# KiCad board SP110Duo.kicad_pcb (continued)
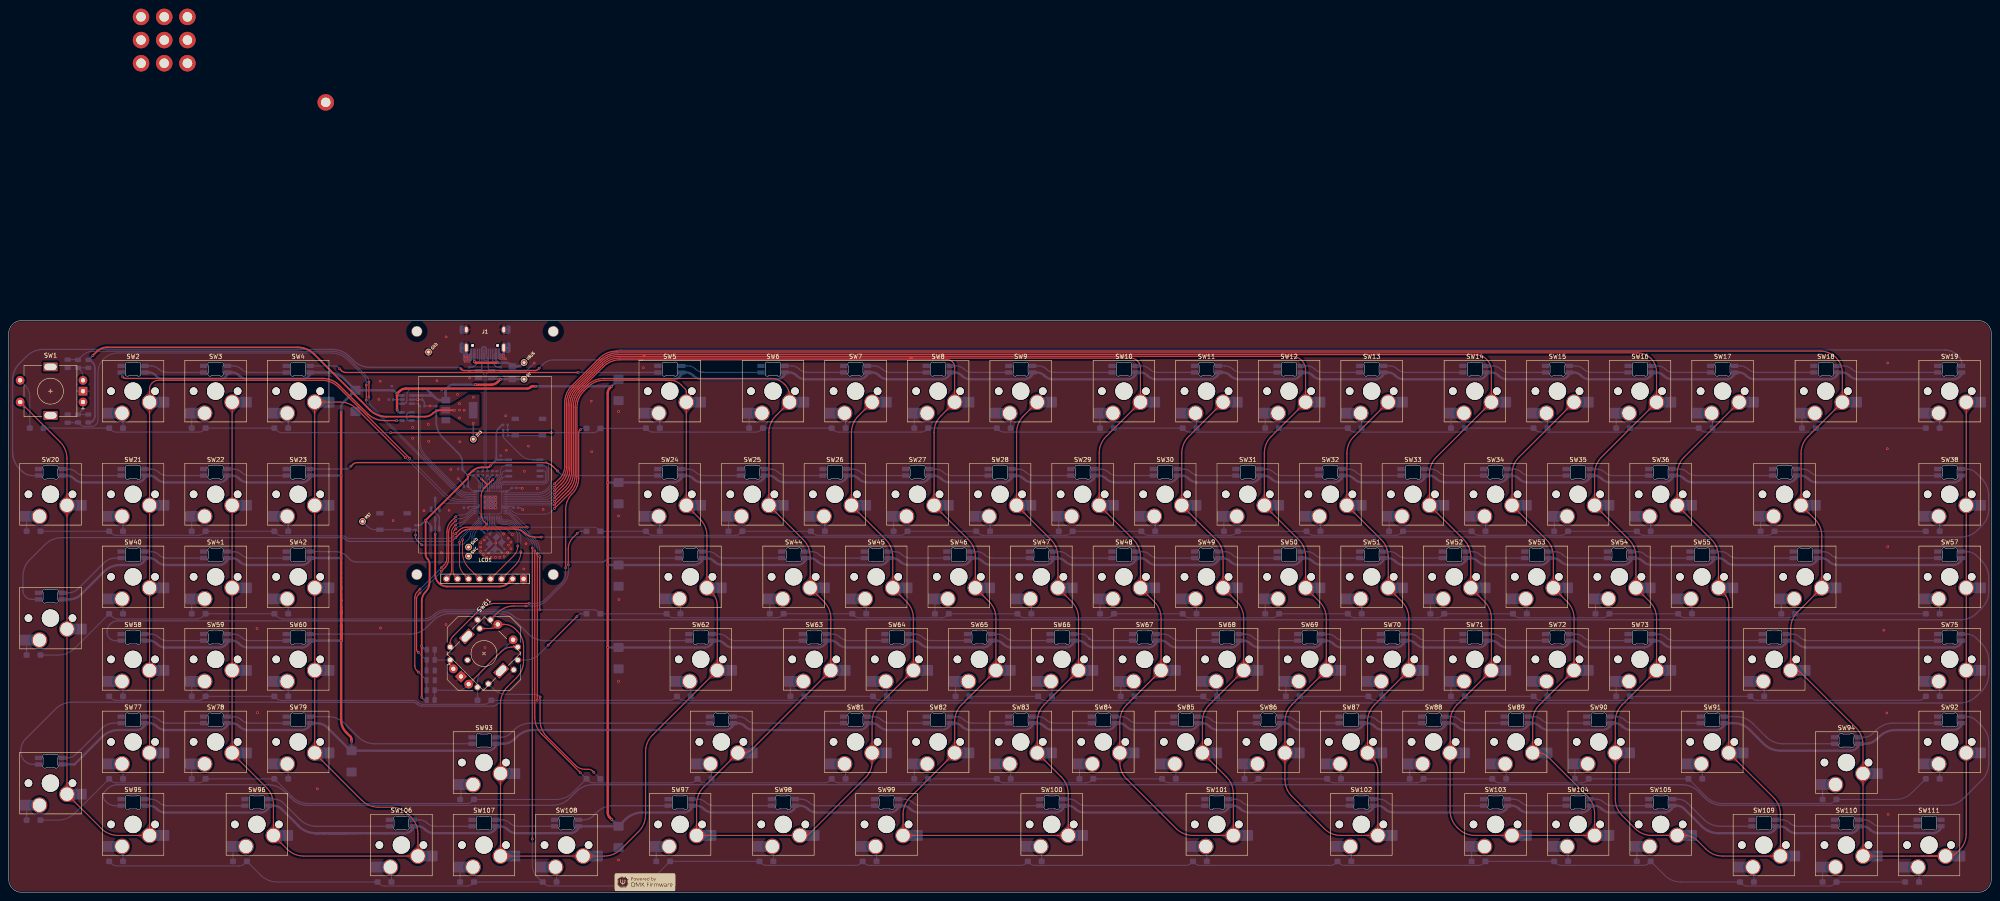
[diagram p0: board, top side]
## Footprints (pads in the part's own frame, mm; a bottom-side part is the same pattern mirrored in y, then rotated)
C_0402_1005Metric
  rrect 0.56x0.62 smd: 1(-0.48,0) 2(0.48,0)
C_0805_2012Metric
  rrect 1x1.45 smd: 1(-0.95,0) 2(0.95,0)
CP_EIA-6032-15_Kemet-U
  rrect 2.075x2.35 smd: 1(-2.462,0) 2(2.462,0)
Crystal_SMD_3225-4Pin_3.2x2.5mm
  rect 1.4x1.2 smd: 1(-1.1,-0.85) 2(1.1,-0.85) 3(1.1,0.85) 4(-1.1,0.85)
D_SOD-123
  rrect 1.4x1.3 smd: 1(-1.6,0) 2(1.6,0)
Fuse_1206_3216Metric_Pad1.42x1.75mm_HandSolder
  rrect 1.425x1.75 smd: 1(-1.488,0) 2(1.488,0)
Hotswap_MX_Plated_LED_1.5u
  rrect 2.55x2.5 smd: (-5.842,-5.08) (7.085,-2.54)
  round 1.75 hole 1.75 unplated: (-5.08,0) (5.08,0)
  round 4 hole 4 unplated: (0,0)
  round 3.6 hole 3.05: 1(3.81,-2.54) 2(-2.54,-5.08)
  rrect 3.55x2.5 smd far side: 1(6.585,-2.54) 2(-5.32,-5.08)
  rrect 1.7x1 smd far side: 3(2.75,4.33) 4(2.75,5.83) 5(-2.75,4.33) 6(-2.75,5.83)
Hotswap_MX_Plated_LED_1.25u
  rrect 2.55x2.5 smd: (-5.842,-5.08) (7.085,-2.54)
  round 1.75 hole 1.75 unplated: (-5.08,0) (5.08,0)
  round 4 hole 4 unplated: (0,0)
  round 3.6 hole 3.05: 1(3.81,-2.54) 2(-2.54,-5.08)
  rrect 3.55x2.5 smd far side: 1(6.585,-2.54) 2(-5.32,-5.08)
  rrect 1.7x1 smd far side: 3(2.75,4.33) 4(2.75,5.83) 5(-2.75,4.33) 6(-2.75,5.83)
Hotswap_MX_Plated_LED_1.75u
  rrect 2.55x2.5 smd: (-5.842,-5.08) (7.085,-2.54)
  round 1.75 hole 1.75 unplated: (-5.08,0) (5.08,0)
  round 4 hole 4 unplated: (0,0)
  round 3.6 hole 3.05: 1(3.81,-2.54) 2(-2.54,-5.08)
  rrect 3.55x2.5 smd far side: 1(6.585,-2.54) 2(-5.32,-5.08)
  rrect 1.7x1 smd far side: 3(2.75,4.33) 4(2.75,5.83) 5(-2.75,4.33) 6(-2.75,5.83)
Hotswap_MX_Plated_LED_1u
  rrect 2.55x2.5 smd: (-5.842,-5.08) (7.085,-2.54)
  round 1.75 hole 1.75 unplated: (-5.08,0) (5.08,0)
  round 4 hole 4 unplated: (0,0)
  round 3.6 hole 3.05: 1(3.81,-2.54) 2(-2.54,-5.08)
  rrect 3.55x2.5 smd far side: 1(6.585,-2.54) 2(-5.32,-5.08)
  rrect 1.7x1 smd far side: 3(2.75,4.33) 4(2.75,5.83) 5(-2.75,4.33) 6(-2.75,5.83)
Hotswap_MX_Plated_LED_2.25u
  rrect 2.55x2.5 smd: (-5.842,-5.08) (7.085,-2.54)
  round 1.75 hole 1.75 unplated: (-5.08,0) (5.08,0)
  round 4 hole 4 unplated: (0,0)
  round 3.6 hole 3.05: 1(3.81,-2.54) 2(-2.54,-5.08)
  rrect 3.55x2.5 smd far side: 1(6.585,-2.54) 2(-5.32,-5.08)
  rrect 1.7x1 smd far side: 3(2.75,4.33) 4(2.75,5.83) 5(-2.75,4.33) 6(-2.75,5.83)
Hotswap_MX_Plated_LED_2.75u
  rrect 2.55x2.5 smd: (-5.842,-5.08) (7.085,-2.54)
  round 1.75 hole 1.75 unplated: (-5.08,0) (5.08,0)
  round 4 hole 4 unplated: (0,0)
  round 3.6 hole 3.05: 1(3.81,-2.54) 2(-2.54,-5.08)
  rrect 3.55x2.5 smd far side: 1(6.585,-2.54) 2(-5.32,-5.08)
  rrect 1.7x1 smd far side: 3(2.75,4.33) 4(2.75,5.83) 5(-2.75,4.33) 6(-2.75,5.83)
Hotswap_MX_Plated_LED_2u
  rrect 2.55x2.5 smd: (-5.842,-5.08) (7.085,-2.54)
  round 1.75 hole 1.75 unplated: (-5.08,0) (5.08,0)
  round 4 hole 4 unplated: (0,0)
  round 3.6 hole 3.05: 1(3.81,-2.54) 2(-2.54,-5.08)
  rrect 3.55x2.5 smd far side: 1(6.585,-2.54) 2(-5.32,-5.08)
  rrect 1.7x1 smd far side: 3(2.75,4.33) 4(2.75,5.83) 5(-2.75,4.33) 6(-2.75,5.83)
Hotswap_MX_Plated_LED_2u_90deg
  rrect 2.55x2.5 smd: (-5.842,-5.08) (7.085,-2.54)
  round 1.75 hole 1.75 unplated: (-5.08,0) (5.08,0)
  round 4 hole 4 unplated: (0,0)
  round 3.6 hole 3.05: 1(3.81,-2.54) 2(-2.54,-5.08)
  rrect 3.55x2.5 smd far side: 1(6.585,-2.54) 2(-5.32,-5.08)
  rrect 1.7x1 smd far side: 3(2.75,4.33) 4(2.75,5.83) 5(-2.75,4.33) 6(-2.75,5.83)
HRO-TYPE-C-31-M-12-modded
  round 0.65 hole 0.65 unplated: (-2.89,2.25) (2.89,2.25)
  rect 0.57x2.45 smd: A1(-3.225,4.195) A4(-2.45,4.195) B1(3.225,4.195) B4(2.45,4.195)
  rect 0.3x2.45 smd: A5(-1.25,4.195) A6(-0.25,4.195) A7(0.25,4.195) A8(1.25,4.195) B5(1.75,4.195) B6(0.75,4.195) B7(-0.75,4.195) B8(-1.75,4.195)
  rrect 2.1x2 smd: S1(-4.85,-1.4) S1(4.85,-1.4)
  rrect 2.1x2.5 smd: S1(-4.85,2.78) S1(4.85,2.78)
  oval 1x1.6 hole 0.6x1.2: S1(-4.32,-1.4) S1(4.32,-1.4)
  oval 1x2.1 hole 0.6x1.7: S1(-4.32,2.78) S1(4.32,2.78)
LCD-ST7789-2in
  round 2.5 hole 2.2 unplated: (-15.74,28.06) (-15.74,-28.06) (15.74,28.06) (15.74,-28.06)
  rect 1.6x1.6 hole 1: 1(-8.89,29.06)
  round 1.6 hole 1: 2(-6.35,29.06) 3(-3.81,29.06) 4(-1.27,29.06) 5(1.27,29.06) 6(3.81,29.06) 7(6.35,29.06) 8(8.89,29.06)
MountingHole_2.2mm_M2_DIN965_Pad
  round 3.8 hole 2.2: 1(0,0)
QFN-56-1EP_7x7mm_P0.4mm_EP3.2x3.2mm
  rrect 1.29x1.29 smd: (-0.8,-0.8) (-0.8,0.8) (0.8,-0.8) (0.8,0.8)
  rrect 0.875x0.2 smd: 1(-3.438,2.6) 2(-3.438,2.2) 3(-3.438,1.8) 4(-3.438,1.4) 5(-3.438,1) 6(-3.438,0.6) 7(-3.438,0.2) 8(-3.438,-0.2) 9(-3.438,-0.6) 10(-3.438,-1) 11(-3.438,-1.4) 12(-3.438,-1.8) 13(-3.438,-2.2) 14(-3.438,-2.6) 29(3.438,-2.6) 30(3.438,-2.2) 31(3.438,-1.8) 32(3.438,-1.4) 33(3.438,-1) 34(3.438,-0.6) 35(3.438,-0.2) 36(3.438,0.2) 37(3.438,0.6) 38(3.438,1) 39(3.438,1.4) 40(3.438,1.8) 41(3.438,2.2) 42(3.438,2.6)
  rrect 0.2x0.875 smd: 15(-2.6,-3.438) 16(-2.2,-3.438) 17(-1.8,-3.438) 18(-1.4,-3.438) 19(-1,-3.438) 20(-0.6,-3.438) 21(-0.2,-3.438) 22(0.2,-3.438) 23(0.6,-3.438) 24(1,-3.438) 25(1.4,-3.438) 26(1.8,-3.438) 27(2.2,-3.438) 28(2.6,-3.438) 43(2.6,3.438) 44(2.2,3.438) 45(1.8,3.438) 46(1.4,3.438) 47(1,3.438) 48(0.6,3.438) 49(0.2,3.438) 50(-0.2,3.438) 51(-0.6,3.438) 52(-1,3.438) 53(-1.4,3.438) 54(-1.8,3.438) 55(-2.2,3.438) 56(-2.6,3.438)
  rect 3.2x3.2 smd: 57(0,0)
R_0402_1005Metric
  rrect 0.54x0.64 smd: 1(-0.51,0) 2(0.51,0)
R_0805_2012Metric
  rrect 1.025x1.4 smd: 1(-0.912,0) 2(0.912,0)
RKJXT1F42001
  round 1.5 hole 1: 1(-1.5,-7.8) 2(1,-6.98) 3(6.86,-3.75) 4(7.8,-1.5) 5(7.8,1.5) 6(1.5,7.8) 7(-1,5.78) 8(-1.5,7.8) 9(-7.8,1.5) 10(-7.8,-1.5) 11(-3.8,-1.5)
RotaryEncoder_Alps_EC11E-Switch_Vertical_H20mm_Centred
  round 2 hole 1: A(-7.5,2.5) B(-7.5,-2.5) S1(7,-2.5) S2(7,2.5)
  rect 2x2 hole 1: C(-7.5,0)
  rect 3.2x2 hole 2.8x1.5: MP(0,5.6) MP(0,-5.6)
SOIC-8_5.275x5.275mm_P1.27mm
  rrect 1.6x0.6 smd: 1(-3.6,1.905) 2(-3.6,0.635) 3(-3.6,-0.635) 4(-3.6,-1.905) 5(3.6,-1.905) 6(3.6,-0.635) 7(3.6,0.635) 8(3.6,1.905)
SOT-23-3
  rrect 1.325x0.6 smd: 1(-1.137,0.95) 2(-1.137,-0.95) 3(1.137,0)
SOT-23-5
  rrect 1.325x0.6 smd: 1(-1.137,0.95) 2(-1.137,0) 3(-1.137,-0.95) 4(1.137,-0.95) 5(1.137,0.95)
SOT-23-6
  rrect 1.325x0.6 smd: 1(-1.137,0.95) 2(-1.137,0) 3(-1.137,-0.95) 4(1.137,-0.95) 5(1.137,0) 6(1.137,0.95)
SOT-143_Handsoldering
  rect 1.7x1 smd: 1(-1.5,0.75)
  rect 1.7x0.6 smd: 2(-1.5,-0.95) 3(1.5,-0.95) 4(1.5,0.95)
SOT-223-3_TabPin2
  rect 2x1.5 smd: 1(-3.15,2.3) 2(-3.15,0) 3(-3.15,-2.3)
  rect 2x3.8 smd: 2(3.15,0)
SW_SPST_TL3342
  rect 1.7x1 smd: 1(-3.15,1.9) 1(3.15,1.9) 2(-3.15,-1.9) 2(3.15,-1.9)
TestPoint
  round 1.2 hole 0.6: 1(0,0)

## Nets
+1V1: C15.1 C16.1 C25.1 U4.23 U4.45 U4.50
+3V3: C2.2 C14.1 C17.1 C18.1 C19.1 C20.1 C21.1 C26.1 C27.1 C28.1 Q1.2 R9.2 R10.2 R17.2 R18.2 R19.2 R20.2 TP3.1 U1.2 U4.1 U4.10 U4.22 U4.33 U4.42 U4.43 U4.44 U4.48 U4.49 U6.8
GND: BOOT1.2 C1.1 C2.1 C3.1 C4.2 C5.2 C6.2 C7.2 C8.2 C9.2 C10.2 C11.1 C12.1 C13.2 C14.2 C15.2 C16.2 C17.2 C18.2 C19.2 C20.2 C21.2 C22.1 C23.1 C24.1 C25.2 C26.2 C27.2 C28.2 C29.1 J1.A1 J1.B1 J1.S1 LCD1.1 Q2.2 R1.1 R2.1 R6.2 R7.1 RST1.2 S61.3 S61.8 SW1.C SW2.6 SW3.6 SW4.6 SW5.6 SW6.6 SW7.6 SW8.6 SW9.6 SW10.6 SW11.6 SW12.6 SW13.6 SW14.6 SW15.6 SW16.6 SW17.6 SW18.6 SW19.6 SW20.6 SW21.6 SW22.6 SW23.6 SW24.6 SW25.6 SW26.6 SW27.6 SW28.6 SW29.6 SW30.6 SW31.6 SW32.6 SW33.6 SW34.6 SW35.6 SW36.6 SW37.6 SW38.6 SW39.6 SW40.6 SW41.6 SW42.6 SW43.6 SW44.6 SW45.6 SW46.6 SW47.6 SW48.6 SW49.6 SW50.6 SW51.6 SW52.6 SW53.6 SW54.6 SW55.6 SW56.6 SW57.6 SW58.6 SW59.6 SW60.6 SW61.C SW62.6 SW63.6 SW64.6 SW65.6 SW66.6 SW67.6 SW68.6 SW69.6 SW70.6 SW71.6 SW72.6 SW73.6 SW74.6 SW75.6 SW76.6 SW77.6 SW78.6 SW79.6 SW80.6 SW81.6 SW82.6 SW83.6 SW84.6 SW85.6 SW86.6 SW87.6 SW88.6 SW89.6 SW90.6 SW91.6 SW92.6 SW93.6 SW94.6 SW95.6 SW96.6 SW97.6 SW98.6 SW99.6 SW100.6 SW101.6 SW102.6 SW103.6 SW104.6 SW105.6 SW106.6 SW107.6 SW108.6 SW109.6 SW110.6 SW111.6 TP4.1 U1.1 U2.2 U3.1 U4.19 U4.57 U5.1 U5.3 U6.4 Y1.2 Y1.4
VBUS: F1.1 J1.A4 J1.B4 TP1.1
VBUS_FUSED: C1.2 C3.2 F1.2 R5.2 TP2.1 U1.3 U2.1 U3.4
C_ILIM: R6.1 U2.5
CC1: J1.A5 R2.2
CC2: J1.B5 R1.2
COL0: SW1.S2 SW2.1 SW20.1 SW21.1 SW39.1 SW40.1 SW58.1 SW76.1 SW77.1 SW95.1 U4.37
COL1: SW3.1 SW4.1 SW22.1 SW23.1 SW41.1 SW42.1 SW59.1 SW60.1 SW78.1 SW79.1 SW96.1 SW106.1 U4.36
COL2: S61.7 SW5.1 SW24.1 SW43.1 SW61.S2 SW62.1 SW93.1 SW107.1 SW108.1 U4.11
COL3: SW6.1 SW7.1 SW25.1 SW26.1 SW44.1 SW45.1 SW63.1 SW64.1 SW80.1 SW81.1 SW97.1 SW98.1 U4.9
COL4: SW8.1 SW9.1 SW27.1 SW28.1 SW46.1 SW47.1 SW65.1 SW66.1 SW82.1 SW83.1 SW99.1 SW100.1 U4.8
COL5: SW10.1 SW11.1 SW29.1 SW30.1 SW48.1 SW49.1 SW67.1 SW68.1 SW84.1 SW85.1 SW101.1 U4.7
COL6: SW12.1 SW13.1 SW31.1 SW32.1 SW50.1 SW51.1 SW69.1 SW70.1 SW86.1 SW87.1 SW102.1 U4.6
COL7: SW14.1 SW15.1 SW33.1 SW34.1 SW52.1 SW53.1 SW71.1 SW72.1 SW88.1 SW89.1 SW103.1 SW104.1 U4.5
COL8: SW16.1 SW17.1 SW35.1 SW36.1 SW54.1 SW55.1 SW73.1 SW90.1 SW91.1 SW105.1 SW109.1 U4.4
COL9: SW18.1 SW19.1 SW37.1 SW38.1 SW56.1 SW57.1 SW74.1 SW75.1 SW92.1 SW94.1 SW110.1 SW111.1 U4.3
D+: J1.A6 J1.B6 R3.1 U3.3
D-: J1.A7 J1.B7 R4.1 U3.2
ENC1_A: C22.2 R13.1 U4.38
ENC1_B: C23.2 R14.2 U4.39
ENC2_A: C29.2 R16.1 U4.31
ENC2_B: C24.2 R15.2 U4.32
LCD_BL_PWM: LCD1.8 U4.30
LCD_CS: LCD1.7 U4.29
LCD_DC: LCD1.6 U4.28
LCD_EN: Q2.1 U4.35
LCD_MOSI/SDA: LCD1.4 U4.18
LCD_PWR: LCD1.2 Q1.3
LCD_RESET: LCD1.5 U4.27
LCD_SCK/SCL: LCD1.3 U4.17
LED_DAT_3V3: U4.40 U5.2
LED_DAT_5V: SW2.5 U5.4
LED_EN: R7.2 U2.3 U4.41
LED_NFAULT: R5.1 U2.4
LED_PWR: C4.1 C5.1 C6.1 C7.1 C8.1 C9.1 C10.1 C13.1 SW2.3 SW3.3 SW4.3 SW5.3 SW6.3 SW7.3 SW8.3 SW9.3 SW10.3 SW11.3 SW12.3 SW13.3 SW14.3 SW15.3 SW16.3 SW17.3 SW18.3 SW19.3 SW20.3 SW21.3 SW22.3 SW23.3 SW24.3 SW25.3 SW26.3 SW27.3 SW28.3 SW29.3 SW30.3 SW31.3 SW32.3 SW33.3 SW34.3 SW35.3 SW36.3 SW37.3 SW38.3 SW39.3 SW40.3 SW41.3 SW42.3 SW43.3 SW44.3 SW45.3 SW46.3 SW47.3 SW48.3 SW49.3 SW50.3 SW51.3 SW52.3 SW53.3 SW54.3 SW55.3 SW56.3 SW57.3 SW58.3 SW59.3 SW60.3 SW62.3 SW63.3 SW64.3 SW65.3 SW66.3 SW67.3 SW68.3 SW69.3 SW70.3 SW71.3 SW72.3 SW73.3 SW74.3 SW75.3 SW76.3 SW77.3 SW78.3 SW79.3 SW80.3 SW81.3 SW82.3 SW83.3 SW84.3 SW85.3 SW86.3 SW87.3 SW88.3 SW89.3 SW90.3 SW91.3 SW92.3 SW93.3 SW94.3 SW95.3 SW96.3 SW97.3 SW98.3 SW99.3 SW100.3 SW101.3 SW102.3 SW103.3 SW104.3 SW105.3 SW106.3 SW107.3 SW108.3 SW109.3 SW110.3 SW111.3 U2.6 U5.5
QSPI_SCLK: U4.52 U6.6
QSPI_SD0: U4.53 U6.5
QSPI_SD1: U4.55 U6.2
QSPI_SD2: U4.54 U6.3
QSPI_SD3: U4.51 U6.7
QSPI_SS: R11.1 R12.2 U4.56 U6.1
RESET: R10.1 RST1.1 TP5.1 U4.26
RKJ-A: D61.1 S61.1 SW61.S1
RKJ-B: D112.1 S61.4
RKJ-C: D113.1 S61.6
RKJ-D: D114.1 S61.9
RKJ-PUSH: D115.2 S61.2
ROT1_A: R13.2 R17.1 SW1.A
ROT1_B: R14.1 R18.1 SW1.B
ROT2_A: R16.2 R19.1 S61.10 SW61.A
ROT2_B: R15.1 R20.1 S61.5 SW61.B
ROW0: D1.2 D2.1 D3.2 D4.1 D5.1 D6.2 D7.1 D8.2 D9.1 D10.2 D11.1 D12.2 D13.1 D14.2 D15.1 D16.2 D17.1 D18.2 D19.1 D114.2 U4.2
ROW1: D20.2 D21.1 D22.2 D23.1 D24.1 D25.2 D26.1 D27.2 D28.1 D29.2 D30.1 D31.2 D32.1 D33.2 D34.1 D35.2 D36.1 D37.2 D38.1 D113.2 U4.12
ROW2: D39.2 D40.1 D41.2 D42.1 D43.1 D44.2 D45.1 D46.2 D47.1 D48.2 D49.1 D50.2 D51.1 D52.2 D53.1 D54.2 D55.1 D56.2 D57.1 D112.2 U4.13
ROW3: D58.1 D59.2 D60.1 D61.2 D62.1 D63.2 D64.1 D65.2 D66.1 D67.2 D68.1 D69.2 D70.1 D71.2 D72.1 D73.2 D74.1 D75.1 U4.14
ROW4: D76.2 D77.1 D78.2 D79.1 D80.1 D81.1 D82.2 D83.1 D84.2 D85.1 D86.2 D87.1 D88.2 D89.1 D90.2 D91.1 D92.1 D93.2 D94.2 D115.1 U4.15
ROW5: D95.1 D96.2 D97.2 D98.1 D99.1 D100.1 D101.1 D102.1 D103.2 D104.1 D105.2 D106.1 D107.2 D108.1 D109.1 D110.2 D111.1 U4.16
SWC: TP6.1 U4.24
SWD: TP7.1 U4.25
XIN: C11.2 U4.20 Y1.3
XOUT: R8.1 U4.21
Net-(BOOT1-Pad1): BOOT1.1 R12.1
Net-(C12-Pad2): C12.2 R8.2 Y1.1
Net-(D1-K): D1.1 SW1.S1
Net-(D2-A): D2.2 SW2.2
Net-(D3-K): D3.1 SW3.2
Net-(D4-A): D4.2 SW4.2
Net-(D5-A): D5.2 SW5.2
Net-(D6-K): D6.1 SW6.2
Net-(D7-A): D7.2 SW7.2
Net-(D8-K): D8.1 SW8.2
Net-(D9-A): D9.2 SW9.2
Net-(D10-K): D10.1 SW10.2
Net-(D11-A): D11.2 SW11.2
Net-(D12-K): D12.1 SW12.2
Net-(D13-A): D13.2 SW13.2
Net-(D14-K): D14.1 SW14.2
Net-(D15-A): D15.2 SW15.2
Net-(D16-K): D16.1 SW16.2
Net-(D17-A): D17.2 SW17.2
Net-(D18-K): D18.1 SW18.2
Net-(D19-A): D19.2 SW19.2
Net-(D20-K): D20.1 SW20.2
Net-(D21-A): D21.2 SW21.2
Net-(D22-K): D22.1 SW22.2
Net-(D23-A): D23.2 SW23.2
Net-(D24-A): D24.2 SW24.2
Net-(D25-K): D25.1 SW25.2
Net-(D26-A): D26.2 SW26.2
Net-(D27-K): D27.1 SW27.2
Net-(D28-A): D28.2 SW28.2
Net-(D29-K): D29.1 SW29.2
Net-(D30-A): D30.2 SW30.2
Net-(D31-K): D31.1 SW31.2
Net-(D32-A): D32.2 SW32.2
Net-(D33-K): D33.1 SW33.2
Net-(D34-A): D34.2 SW34.2
Net-(D35-K): D35.1 SW35.2
Net-(D36-A): D36.2 SW36.2
Net-(D37-K): D37.1 SW37.2
Net-(D38-A): D38.2 SW38.2
Net-(D39-K): D39.1 SW39.2
Net-(D40-A): D40.2 SW40.2
Net-(D41-K): D41.1 SW41.2
Net-(D42-A): D42.2 SW42.2
Net-(D43-A): D43.2 SW43.2
Net-(D44-K): D44.1 SW44.2
Net-(D45-A): D45.2 SW45.2
Net-(D46-K): D46.1 SW46.2
Net-(D47-A): D47.2 SW47.2
Net-(D48-K): D48.1 SW48.2
Net-(D49-A): D49.2 SW49.2
Net-(D50-K): D50.1 SW50.2
Net-(D51-A): D51.2 SW51.2
Net-(D52-K): D52.1 SW52.2
Net-(D53-A): D53.2 SW53.2
Net-(D54-K): D54.1 SW54.2
Net-(D55-A): D55.2 SW55.2
Net-(D56-K): D56.1 SW56.2
Net-(D57-A): D57.2 SW57.2
Net-(D58-A): D58.2 SW58.2
Net-(D59-K): D59.1 SW59.2
Net-(D60-A): D60.2 SW60.2
Net-(D62-A): D62.2 SW62.2
Net-(D63-K): D63.1 SW63.2
Net-(D64-A): D64.2 SW64.2
Net-(D65-K): D65.1 SW65.2
Net-(D66-A): D66.2 SW66.2
Net-(D67-K): D67.1 SW67.2
Net-(D68-A): D68.2 SW68.2
Net-(D69-K): D69.1 SW69.2
Net-(D70-A): D70.2 SW70.2
Net-(D71-K): D71.1 SW71.2
Net-(D72-A): D72.2 SW72.2
Net-(D73-K): D73.1 SW73.2
Net-(D74-A): D74.2 SW74.2
Net-(D75-A): D75.2 SW75.2
Net-(D76-K): D76.1 SW76.2
Net-(D77-A): D77.2 SW77.2
Net-(D78-K): D78.1 SW78.2
Net-(D79-A): D79.2 SW79.2
Net-(D80-A): D80.2 SW80.2
Net-(D81-A): D81.2 SW81.2
Net-(D82-K): D82.1 SW82.2
Net-(D83-A): D83.2 SW83.2
Net-(D84-K): D84.1 SW84.2
Net-(D85-A): D85.2 SW85.2
Net-(D86-K): D86.1 SW86.2
Net-(D87-A): D87.2 SW87.2
Net-(D88-K): D88.1 SW88.2
Net-(D89-A): D89.2 SW89.2
Net-(D90-K): D90.1 SW90.2
Net-(D91-A): D91.2 SW91.2
Net-(D92-A): D92.2 SW92.2
Net-(D93-K): D93.1 SW93.2
Net-(D94-K): D94.1 SW94.2
Net-(D95-A): D95.2 SW95.2
Net-(D96-K): D96.1 SW96.2
Net-(D97-K): D97.1 SW97.2
Net-(D98-A): D98.2 SW98.2
Net-(D99-A): D99.2 SW99.2
Net-(D100-A): D100.2 SW100.2
Net-(D101-A): D101.2 SW101.2
Net-(D102-A): D102.2 SW102.2
Net-(D103-K): D103.1 SW103.2
Net-(D104-A): D104.2 SW104.2
Net-(D105-K): D105.1 SW105.2
Net-(D106-A): D106.2 SW106.2
Net-(D107-K): D107.1 SW107.2
Net-(D108-A): D108.2 SW108.2
Net-(D109-A): D109.2 SW109.2
Net-(D110-K): D110.1 SW110.2
Net-(D111-A): D111.2 SW111.2
Net-(Q1-G): Q1.1 Q2.3
Net-(R11-Pad2): R9.1 R11.2
Net-(SW2-DOUT): SW2.4 SW3.5
Net-(SW3-DOUT): SW3.4 SW4.5
Net-(SW4-DOUT): SW4.4 SW5.5
Net-(SW5-DOUT): SW5.4 SW6.5
Net-(SW6-DOUT): SW6.4 SW7.5
Net-(SW7-DOUT): SW7.4 SW8.5
Net-(SW8-DOUT): SW8.4 SW9.5
Net-(SW10-DIN): SW9.4 SW10.5
Net-(SW10-DOUT): SW10.4 SW11.5
Net-(SW11-DOUT): SW11.4 SW12.5
Net-(SW12-DOUT): SW12.4 SW13.5
Net-(SW13-DOUT): SW13.4 SW14.5
Net-(SW14-DOUT): SW14.4 SW15.5
Net-(SW15-DOUT): SW15.4 SW16.5
Net-(SW16-DOUT): SW16.4 SW17.5
Net-(SW17-DOUT): SW17.4 SW18.5
Net-(SW18-DOUT): SW18.4 SW19.5
Net-(SW19-DOUT): SW19.4 SW20.5
Net-(SW20-DOUT): SW20.4 SW21.5
Net-(SW21-DOUT): SW21.4 SW22.5
Net-(SW22-DOUT): SW22.4 SW23.5
Net-(SW23-DOUT): SW23.4 SW24.5
Net-(SW24-DOUT): SW24.4 SW25.5
Net-(SW25-DOUT): SW25.4 SW26.5
Net-(SW26-DOUT): SW26.4 SW27.5
Net-(SW27-DOUT): SW27.4 SW28.5
Net-(SW28-DOUT): SW28.4 SW29.5
Net-(SW29-DOUT): SW29.4 SW30.5
Net-(SW30-DOUT): SW30.4 SW31.5
Net-(SW31-DOUT): SW31.4 SW32.5
Net-(SW32-DOUT): SW32.4 SW33.5
Net-(SW33-DOUT): SW33.4 SW34.5
Net-(SW34-DOUT): SW34.4 SW35.5
Net-(SW35-DOUT): SW35.4 SW36.5
Net-(SW36-DOUT): SW36.4 SW37.5
Net-(SW37-DOUT): SW37.4 SW38.5
Net-(SW38-DOUT): SW38.4 SW39.5
Net-(SW39-DOUT): SW39.4 SW40.5
Net-(SW40-DOUT): SW40.4 SW41.5
Net-(SW41-DOUT): SW41.4 SW42.5
Net-(SW42-DOUT): SW42.4 SW43.5
Net-(SW43-DOUT): SW43.4 SW44.5
Net-(SW44-DOUT): SW44.4 SW45.5
Net-(SW45-DOUT): SW45.4 SW46.5
Net-(SW46-DOUT): SW46.4 SW47.5
Net-(SW47-DOUT): SW47.4 SW48.5
Net-(SW48-DOUT): SW48.4 SW49.5
Net-(SW49-DOUT): SW49.4 SW50.5
Net-(SW50-DOUT): SW50.4 SW51.5
Net-(SW51-DOUT): SW51.4 SW52.5
Net-(SW52-DOUT): SW52.4 SW53.5
Net-(SW53-DOUT): SW53.4 SW54.5
Net-(SW54-DOUT): SW54.4 SW55.5
Net-(SW55-DOUT): SW55.4 SW56.5
Net-(SW56-DOUT): SW56.4 SW57.5
Net-(SW57-DOUT): SW57.4 SW58.5
Net-(SW58-DOUT): SW58.4 SW59.5
Net-(SW59-DOUT): SW59.4 SW60.5
Net-(SW60-DOUT): SW60.4 SW62.5
Net-(SW62-DOUT): SW62.4 SW63.5
Net-(SW63-DOUT): SW63.4 SW64.5
Net-(SW64-DOUT): SW64.4 SW65.5
Net-(SW65-DOUT): SW65.4 SW66.5
Net-(SW66-DOUT): SW66.4 SW67.5
Net-(SW67-DOUT): SW67.4 SW68.5
Net-(SW68-DOUT): SW68.4 SW69.5
Net-(SW69-DOUT): SW69.4 SW70.5
Net-(SW70-DOUT): SW70.4 SW71.5
Net-(SW71-DOUT): SW71.4 SW72.5
Net-(SW72-DOUT): SW72.4 SW73.5
Net-(SW73-DOUT): SW73.4 SW74.5
Net-(SW74-DOUT): SW74.4 SW75.5
Net-(SW75-DOUT): SW75.4 SW76.5
Net-(SW76-DOUT): SW76.4 SW77.5
Net-(SW77-DOUT): SW77.4 SW78.5
Net-(SW78-DOUT): SW78.4 SW79.5
Net-(SW79-DOUT): SW79.4 SW93.5
Net-(SW80-DIN): SW80.5 SW93.4
Net-(SW80-DOUT): SW80.4 SW81.5
Net-(SW81-DOUT): SW81.4 SW82.5
Net-(SW82-DOUT): SW82.4 SW83.5
Net-(SW83-DOUT): SW83.4 SW84.5
Net-(SW84-DOUT): SW84.4 SW85.5
Net-(SW85-DOUT): SW85.4 SW86.5
Net-(SW86-DOUT): SW86.4 SW87.5
Net-(SW87-DOUT): SW87.4 SW88.5
Net-(SW88-DOUT): SW88.4 SW89.5
Net-(SW89-DOUT): SW89.4 SW90.5
Net-(SW90-DOUT): SW90.4 SW91.5
Net-(SW91-DOUT): SW91.4 SW94.5
Net-(SW92-DIN): SW92.5 SW94.4
Net-(SW92-DOUT): SW92.4 SW95.5
Net-(SW95-DOUT): SW95.4 SW96.5
Net-(SW97-DOUT): SW97.4 SW98.5
Net-(SW98-DOUT): SW98.4 SW99.5
Net-(SW100-DIN): SW99.4 SW100.5
Net-(SW100-DOUT): SW100.4 SW101.5
Net-(SW101-DOUT): SW101.4 SW102.5
Net-(SW102-DOUT): SW102.4 SW103.5
Net-(SW103-DOUT): SW103.4 SW104.5
Net-(SW104-DOUT): SW104.4 SW105.5
Net-(SW105-DOUT): SW105.4 SW109.5
Net-(SW106-DIN): SW96.4 SW106.5
Net-(SW106-DOUT): SW106.4 SW107.5
Net-(SW107-DOUT): SW107.4 SW108.5
Net-(SW108-DOUT): SW97.5 SW108.4
Net-(SW109-DOUT): SW109.4 SW110.5
Net-(SW110-DOUT): SW110.4 SW111.5
Net-(U4-USB_DM): R4.2 U4.46
Net-(U4-USB_DP): R3.2 U4.47

Pads without a net: H1 1; H2 1; H3 1; H4 1; H5 1; H6 1; H7 1; H8 1; H9 1; H10 1; J1 A8 B8; S61 11; SW1 MP; SW61 MP; SW111 4; U4 34

## Via types
v1: diameter 0.6, hole 0.3, Top to Bottom, 183 vias

## Routing (per net, layer and track width the routed paths; a pad name or vN(x,y) marks a point on that pad's centre or on a via; arc(x,y) is an arc through that point)
+1V1: length 27
  Top w0.25: 109.83,94.68 109.97,94.54 ; 109.83,94.68 109.7,94.81 ; 109.83,94.68 109.7,94.81 ; 109.83,94.68 109.97,94.54 ; 109.97,94.54 110.11,94.41 arc(110.46,94.26) 110.81,94.41 110.95,94.54 ; 109.97,94.54 110.1,94.41 arc(110.25,94.05) 110.1,93.7 109.89,93.48 ; 109.73,93.33 109.73,93.32 ; 109.73,93.33 109.74,93.33 ; 109.73,93.33 109.73,93.32 ; 109.73,93.33 109.74,93.33 ; 109.73,93.32 109.73,93.32 arc(109.19,92.51) 109,91.56 109,87.21 arc(109.17,86.35) 109.66,85.62 v1(110.31,84.97) ; 109.89,93.48 109.81,93.4 ; 109.89,93.48 109.81,93.4 ; 109.89,93.48 110.95,94.54 ; 109.81,93.4 109.77,93.36 ; 109.81,93.4 109.77,93.36 ; 109.24,95.28 109.15,95.36 ; 109.24,95.28 109.15,95.36 ; 109.24,95.28 109.41,95.1 ; 109.24,95.28 109.41,95.1 ; 109.15,95.36 109.1,95.42 ; 109.15,95.36 109.1,95.42 ; 109.41,95.1 109.56,94.95 ; 109.41,95.1 109.56,94.95 ; 109.56,94.95 109.7,94.81 ; 109.56,94.95 109.7,94.81 ; 109.1,95.42 109.07,95.45 arc(109.07,95.45) 109.07,95.46 v1(109.08,95.46) ; 111.55,95.14 111.63,95.22 ; 111.55,95.14 111.39,94.98 ; 111.55,95.14 111.39,94.98 ; 111.55,95.14 111.63,95.22 ; 111.63,95.22 111.67,95.27 ; 111.63,95.22 111.67,95.27 ; 111.67,95.27 111.7,95.29 ; 111.67,95.27 111.7,95.29 ; 109.74,93.33 109.74,93.33 ; 109.74,93.33 109.74,93.33 ; 109.74,93.33 109.75,93.34 ; 109.74,93.33 109.75,93.34 ; 109.77,93.36 109.75,93.34 ; 109.77,93.36 109.75,93.34 ; 111.39,94.98 111.22,94.82 ; 111.39,94.98 111.22,94.82 ; 111.7,95.29 v1(111.71,95.31) ; 111.22,94.82 111.09,94.68 ; 111.22,94.82 111.09,94.68 ; 110.95,94.54 111.09,94.68 ; 110.95,94.54 111.09,94.68
  Bottom w0.2: C15.1 108.79,95.75 arc(109.17,95.18) 109.3,94.51 U4.45 ; U4.50 111.3,94.17 arc(111.43,94.84) 111.81,95.4 C25.1 ; C16.1 110.11,84.76 arc(110.4,85.19) 110.5,85.71 U4.23
+3V3: length 272.9
  Top w0.4: v1(95.3,45) v1(95.3,56.8) 95.3,67.23 arc(95.53,68.4) 96.2,69.4 arc(96.87,70.4) 97.1,71.57 97.1,75.86 arc(96.98,76.45) 96.65,76.95 arc(96.32,77.45) 96.2,78.04 v1(96.2,85.9) 105.79,95.49 arc(105.94,95.71) 105.99,95.98 v1(105.99,96.27) 106.91,97.18 arc(107.92,97.86) 109.12,98.1 110.48,98.1 arc(110.73,98.15) 110.94,98.29 v1(111.12,98.48) ; v1(19.4,123.9) 20.35,124.85 arc(21.4,125.55) 22.64,125.8 66.65,125.8 arc(68.73,125.39) 70.49,124.21 83.31,111.39 arc(85.07,110.21) 87.15,109.8 96.04,109.8 arc(97.02,109.99) 97.85,110.55 arc(98.68,111.11) 99.66,111.3 v1(102.8,111.3)
  Bottom w0.2: 108.3,95.14 108.33,95.11 ; 108.3,95.14 C26.1 ; 108.3,95.14 108.33,95.11 ; 108.33,95.11 108.35,95.09 ; 108.33,95.11 108.35,95.09 ; 111.31,96 111.25,95.94 ; 111.31,96 111.25,95.94 ; 111.31,96 C27.1 ; 111.25,95.94 111.21,95.91 ; 111.25,95.94 111.21,95.91 ; 111.06,95.75 111.03,95.72 ; 111.06,95.75 111.09,95.78 ; 111.06,95.75 111.03,95.72 ; 111.06,95.75 111.09,95.78 ; 111.03,95.72 110.99,95.69 ; 111.03,95.72 110.99,95.69 ; 108.47,88.9 108.47,87.86 arc(108.51,87.66) 108.62,87.5 arc(108.79,87.38) 108.98,87.35 110.92,87.35 ; 108.47,88.9 108.47,88.99 ; 108.47,88.9 arc(108.46,88.94) 108.44,88.98 ; 108.92,92.61 109.02,92.61 ; 108.92,92.61 108.57,92.61 ; 108.92,92.61 arc(108.94,92.63) 108.94,92.65 ; 109.02,92.61 110.45,92.61 ; 109.02,92.61 arc(108.98,92.62) 108.94,92.65 ; 108.47,89.36 108.47,89.34 ; 108.47,89.36 108.47,89.34 ; 108.47,89.36 108.47,89.37 ; 108.47,89.36 108.47,89.37 ; 108.47,89.34 108.47,89.33 ; 108.47,89.34 108.47,89.33 ; C19.1 115.57,92.88 arc(115.27,92.68) 114.92,92.61 114.16,92.61 ; 108.47,89.33 108.47,89.31 ; 108.47,89.33 108.47,89.31 ; 108.42,95.01 108.41,95.03 ; 108.42,95.01 108.41,95.03 ; 108.42,95.01 108.44,95 ; 108.42,95.01 108.44,95 ; 108.41,95.03 108.39,95.04 ; 108.41,95.03 108.39,95.04 ; 110.85,92.61 110.49,92.61 ; 110.85,92.61 110.89,92.61 ; 110.85,92.61 arc(110.87,92.62) 110.89,92.63 ; 110.49,92.61 110.45,92.61 ; 110.49,92.61 arc(110.48,92.62) 110.49,92.63 ; 111.15,95.84 111.12,95.81 ; 111.15,95.84 111.12,95.81 ; 111.15,95.84 111.18,95.88 ; 111.15,95.84 111.18,95.88 ; 111.12,95.81 111.09,95.78 ; 111.12,95.81 111.09,95.78 ; 108.47,89.28 108.47,89.26 ; 108.47,89.28 108.47,89.29 ; 108.47,89.28 108.47,89.29 ; 108.47,89.28 108.47,89.26 ; 108.47,89.26 108.47,89.25 ; 108.47,89.26 108.47,89.25 ; U4.43 108.5,94.92 arc(108.5,94.94) 108.48,94.95 ; C20.1 116.42,88.91 arc(116.3,88.99) 116.16,89.01 114.16,89.01 ; 108.39,95.04 108.38,95.06 ; 108.39,95.04 108.38,95.06 ; 108.36,95.07 108.35,95.09 ; 108.36,95.07 108.38,95.06 ; 108.36,95.07 108.38,95.06 ; 108.36,95.07 108.35,95.09 ; 114.16,89.01 arc(113.88,88.9) 113.77,88.63 ; 114.16,89.01 arc(113.88,89.13) 113.77,89.4 ; 113.39,92.61 110.89,92.61 ; 113.39,92.61 114.16,92.61 ; 113.39,92.61 arc(113.66,92.5) 113.77,92.23 ; 110.89,92.61 arc(110.88,92.62) 110.89,92.63 ; 110.45,92.61 arc(110.47,92.62) 110.49,92.63 ; 113.77,92.23 113.77,89.4 ; 113.77,92.23 arc(113.88,92.5) 114.16,92.61 ; 113.77,89.4 113.77,88.63 ; C17.1 106.11,88.91 arc(106.23,88.99) 106.36,89.01 108.36,89.01 arc(108.4,89) 108.44,88.98 ; 108.47,89.42 108.47,89.39 ; 108.47,89.42 108.47,92.51 ; 108.47,89.42 108.47,89.39 ; 108.47,89.39 108.47,89.37 ; 108.47,89.39 108.47,89.37 ; 111.21,95.91 111.18,95.88 ; 111.21,95.91 111.18,95.88 ; 110.92,87.35 111.02,87.35 ; 110.92,87.35 arc(110.94,87.33) 110.94,87.31 ; 108.47,89.25 108.47,89.23 ; 108.47,89.25 108.47,89.23 ; 108.47,89.23 108.47,88.99 ; 108.47,89.23 108.47,89.21 ; 110.41,83.88 110.66,84.13 arc(110.84,84.4) 110.9,84.72 U4.22 110.9,87.22 arc(110.91,87.27) 110.94,87.31 ; 108.44,95 108.45,94.98 ; 108.44,95 108.45,94.98 ; 108.47,89.29 108.47,89.31 ; 108.47,89.29 108.47,89.31 ; 108.47,88.99 arc(108.46,88.98) 108.44,88.98 ; 110.99,95.69 110.96,95.66 ; 110.99,95.69 110.96,95.66 ; 110.96,95.66 110.93,95.62 ; 110.96,95.66 110.93,95.62 ; 113.77,88.63 113.77,88.03 arc(113.72,87.77) 113.57,87.55 arc(113.35,87.4) 113.09,87.35 111.02,87.35 ; 108.47,92.51 arc(108.44,92.58) 108.37,92.61 ; 108.47,92.51 arc(108.5,92.58) 108.57,92.61 ; 111.02,87.35 arc(110.98,87.34) 110.94,87.31 ; 108.47,94.97 108.45,94.98 ; 108.47,94.97 108.45,94.98 ; 108.47,94.97 108.48,94.95 ; 108.47,94.97 108.48,94.95 ; 105.98,93.66 106.8,92.84 arc(107.05,92.67) 107.35,92.61 U4.42 108.37,92.61 ; 108.37,92.61 108.57,92.61 ; 108.48,94.95 108.68,94.75 arc(108.84,94.52) 108.9,94.23 U4.44 108.9,92.74 arc(108.91,92.69) 108.94,92.65 ; 110.93,95.62 110.73,95.42 arc(110.56,95.17) 110.5,94.87 U4.48 110.5,92.66 arc(110.5,92.64) 110.49,92.63 ; 110.93,95.62 arc(110.91,95.59) 110.9,95.55 U4.49 110.9,92.66 arc(110.9,92.64) 110.89,92.63
  Bottom w0.35: C14.1 U6.8
  Bottom w0.4: 112.15,99.5 v1(111.12,98.48) 112.15,99.5 ; 112.15,99.5 arc(112.54,99.76) 113,99.85 ; 112.15,99.5 arc(112.41,99.89) 112.5,100.35 ; v1(19.4,123.9) 19.39,123.9 arc(19.37,123.9) 19.36,123.89 18.53,123.05 arc(18.51,122.96) 18.59,122.91 arc(18.78,122.87) 18.94,122.76 19.35,122.35 arc(19.76,121.74) 19.9,121.02 19.9,109.89 arc(19.79,109.34) 19.49,108.89 19.32,108.72 arc(19.05,108.54) 18.73,108.47 R17.2 ; C26.1 v1(105.99,96.27) 105.98,96.26 ; U1.2 C2.2 98.64,108.71 arc(99.06,106.63) 100.24,104.86 103.71,101.39 arc(104.42,100.33) 104.67,99.07 104.67,97.53 105.94,96.26 arc(105.95,96.26) 105.95,96.26 105.96,96.26 ; 105.98,96.26 arc(105.97,96.24) 105.98,96.23 ; 105.98,96.26 arc(105.97,96.25) 105.96,96.26 ; R9.2 113.95,107.9 arc(113.81,107.87) 113.69,107.79 113.15,107.25 arc(112.67,106.53) 112.5,105.68 112.5,100.35 ; R10.2 94.44,84.72 arc(94.98,84.83) 95.43,85.13 v1(96.2,85.9) 97.18,84.92 arc(97.38,84.62) 97.45,84.28 Q1.2 ; C14.1 113,99.85 ; 113,99.85 arc(112.65,100) 112.5,100.35 ; 105.98,96.23 105.98,96.23 arc(106,96.21) 106,96.19 106,93.73 arc(106,93.71) 105.98,93.69 arc(105.98,93.67) 105.98,93.66 ; 105.98,96.23 105.96,96.26 ; v1(107.2,108.3) TP3.1 ; v1(95.3,56.8) 95.94,56.16 arc(96.09,56.06) 96.27,56.02 R19.2 ; v1(95.3,45) 95.71,44.59 arc(95.92,44.45) 96.17,44.4 R20.2
  vias: v1(104,112.8) v1(104,111.3) v1(104,109.5) v1(105.1,111.3) v1(107.2,114.3)
GND: length 67.1
  Bottom w0.2: v1(116.2,82.6) 115.15,83.65 arc(114.4,84.15) 113.52,84.32 112.87,84.32 ; 112.36,84.54 112.36,84.54 arc(112.36,84.54) 112.36,84.54 112.23,84.67 arc(112.13,84.81) 112.1,84.99 U4.19 ; 112.36,84.54 112.79,84.11 ; 112.36,84.54 arc(112.6,84.38) 112.87,84.32 ; C27.2 C25.2 ; C26.2 C15.2 ; 112.79,84.11 v1(114.2,82.7) ; 112.79,84.11 arc(112.76,84.25) 112.87,84.32
  Bottom w0.25: C16.2 C21.2
  Bottom w0.3: U5.1 92.48,110.8 arc(92.22,110.75) 92,110.6 arc(91.85,110.38) 91.8,110.12 91.8,109.58 arc(91.85,109.32) 92,109.1 arc(92.22,108.95) 92.48,108.9 U5.3 ; R1.1 119.23,120.18 v1(121.25,122.2) ; C12.1 111.47,79.04 arc(111.67,79.18) 111.91,79.22 112.47,79.22 ; 112.35,79.4 112.35,81.81 ; v1(118.6,88.35) 118.37,88.58 arc(118.12,88.74) 117.83,88.8 C20.2 ; v1(118.5,93.25) 118.45,93.3 arc(118.4,93.33) 118.34,93.35 C19.2 ; v1(103.7,95.5) 104.83,94.37 arc(104.96,94.17) 105.01,93.93 C28.2 ; U2.2 v1(94.35,113.75) 95.38,113.75 arc(95.39,113.75) 95.4,113.75 C3.1 95.76,113.38 arc(95.87,113.21) 95.91,113.02 R7.1 v1(97.25,112.25) 98.63,112.25 arc(98.63,112.25) 98.64,112.26 C2.1 ; 112.35,82.19 112.53,82.37 ; 112.17,79.61 112.35,79.79
  Bottom w0.4: 112.47,79.22 112.89,79.22 arc(113.04,79.19) 113.17,79.11 C11.1
  Bottom w0.55: J1.B1 113.77,123.65 ; J1.B1 113.27,124.15 114.22,124.15 ; J1.B1 113.12,123.47 113.27,123.33 ; 113.77,123.65 114.22,123.65 ; 113.77,123.65 113.44,123.33 113.27,123.33 ; J1.A1 106.05,123.67 v1(106.05,123.6) 106.05,123.3 ; J1.A1 106.52,124.13 ; J1.A1 106.67,123.03 ; 105.58,123.95 105.58,123.83 v1(105.35,123.6) 105.58,123.37 105.58,123.2 ; 105.58,123.95 106.33,123.95 106.52,124.13 ; 105.58,123.95 J1.S1 ; 106.2,123.15 106.33,123.03 106.67,123.03 ; 106.2,123.15 106.2,123.82 106.52,124.13 ; 106.2,123.15 106.05,123.3 ; 114.22,123.65 114.22,123.83 v1(114.1,123.95) 114.22,124.07 114.22,124.15 ; 114.22,123.65 114.22,123.53 v1(114.6,123.15) 113.85,123.15 v1(113.75,123.25) 113.65,123.15 113.45,123.15 113.27,123.33 ; 106.05,122.73 106.05,122.6 ; 106.05,122.73 105.58,123.2 ; 106.05,122.73 v1(106.05,122.85) 106.05,123.3 ; 106.05,122.6 v1(105.35,122.6) ; 106.05,122.6 106.25,122.6 106.67,123.03 ; v1(105.35,122.6) 105.58,122.83 105.58,123.2 ; v1(105.35,122.6) 105.05,122.9 J1.S1 ; 114.22,124.15 J1.S1
  vias: v1(9.6,115.7) v1(57.3,60.9) v1(57.4,41.5) v1(71.2,23.9) v1(85.4,113.8) v1(85.7,118) v1(85.8,61) v1(88.7,85.8) v1(93.2,107.3) v1(93.2,104.8) v1(95.8,88.1) v1(96.8,108) v1(96.9,104.1) v1(98.8,118.1) v1(99.8,78.4) v1(100.9,128.2) v1(100.9,61.8) v1(101.6,88.2) v1(102,97.6) v1(103.55,114.95) v1(104.1,104) v1(106.35,118.7) v1(108.9,80.73) v1(108.9,79.73) v1(108.9,78.73) v1(109.5,77.93) v1(109.7,81.33) v1(109.9,91.21) v1(109.9,90.01) v1(109.9,88.81) v1(109.9,56.5) v1(110.3,77.33) v1(111.1,91.21) v1(111.1,90.01) v1(111.1,88.81) v1(111.3,77.33) v1(112.3,91.21) v1(112.3,90.01) v1(112.3,88.81) v1(112.3,77.33) v1(112.35,80.65) v1(113.3,77.33) v1(114.3,77.53) v1(114.65,110) v1(114.8,102.05) v1(115.1,78.53) v1(115.26,81.74) v1(115.3,80.13) v1(115.86,80.84) v1(115.9,79.33) v1(118.85,74.65) v1(119,97.2) v1(119.35,80.45) v1(119.9,103) v1(121.95,93.25) v1(123.3,88.4) v1(134.4,113.4) v1(134.5,101.7) v1(140.7,111) v1(140.7,86.9) v1(140.7,48.7) v1(140.7,7.5) v1(140.8,67.6) v1(146.4,121.1) v1(432.6,60.5) v1(433.3,41.4) v1(433.4,102.4) v1(433.5,122.2) v1(433.5,79.8) v1(433.6,18)
VBUS: length 16.1
  Top w0.55: v1(112.85,122.25) 107.88,122.25 arc(107.71,122.28) 107.58,122.38 v1(107.45,122.5)
  Bottom w0.55: TP1.1 118.46,121.86 arc(117.98,121.54) 117.41,121.42 116.5,121.42 arc(116.23,121.48) 116,121.63 115.79,121.84 arc(115.33,122.14) 114.79,122.25 v1(112.85,122.25) 112.6,122.5 arc(112.41,122.78) 112.35,123.1 J1.B4 ; v1(107.45,122.5) J1.A4
VBUS_FUSED: length 36.2
  Top w0.55: v1(107.67,117.19) 111.3,117.19 arc(112.12,117.35) 112.82,117.82 v1(113.46,118.45)
  Bottom w0.55: v1(107.67,117.19) 102.62,117.19 arc(101.94,117.05) 101.37,116.67 100.95,116.25 arc(100.88,116.14) 100.85,116.01 U1.3 99.78,113.6 arc(99.06,113.74) 98.45,114.15 ; U3.4 113.28,118.55 arc(113.35,118.54) 113.41,118.5 v1(113.46,118.45) F1.2 TP2.1 ; 97.35,115.25 98.45,114.15 ; 97.35,115.25 96.75,115.85 arc(96.36,116.11) 95.9,116.2 R5.2 ; 97.35,115.25 arc(97.42,114.9) 97.12,114.7 ; 98.45,114.15 arc(97.84,114.56) 97.12,114.7 ; U2.1 C3.2 97.12,114.7
